# EAGLE board Mk4 Final Panel 8up 2x4 (EAGLE 9.0.1), part 13 of 23
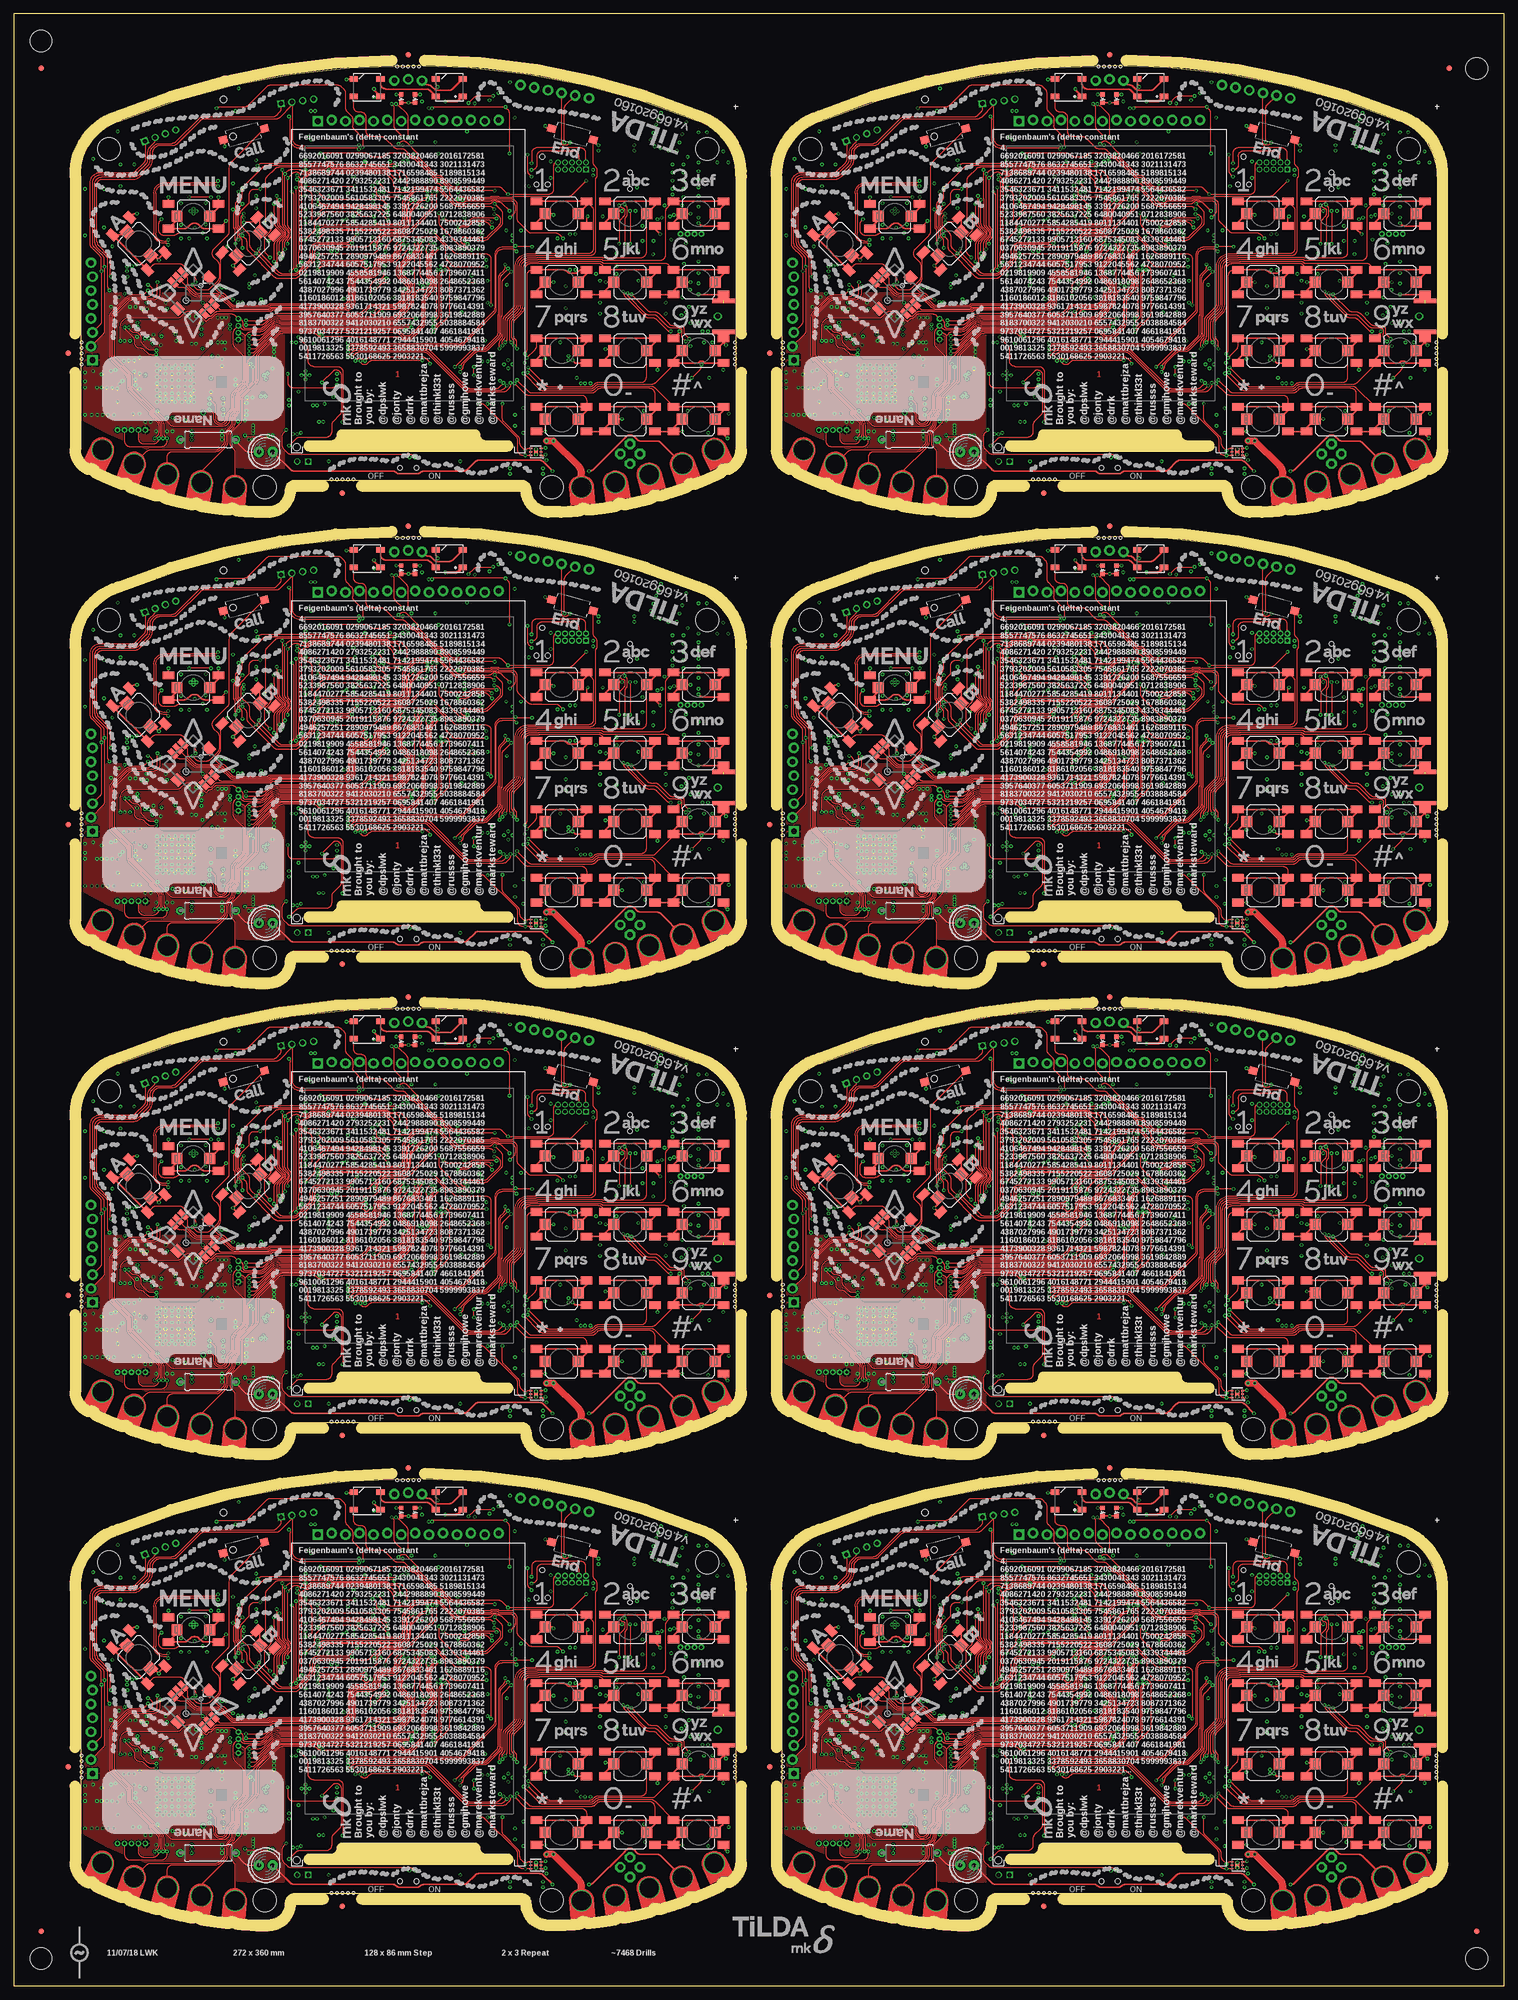
[diagram p0: board, top side]
## Tracks (layer width: path | path; a pad name or v marks a point on that pad's centre or on a via) (continued)
GND7  (via drill 0.3)  (1 unrouted) (continued)
  pour Top (rank 6): 140.2,309 140.2,286 arc34 177,277 177.5,277 177.5,309
GSM_ANT
  Bottom 0.4: L3.1 C72.2 123.26,49.6 arc45 122.56,49.31 121.59,48.34 arc-45 120.89,48.05 IC5.32
GSM_ANT1
  Bottom 0.4: L13.1 C173.2 251.26,49.6 arc45 250.56,49.31 249.59,48.34 arc-45 248.89,48.05 IC21.32
GSM_ANT2
  Bottom 0.4: L22.1 C281.2 123.26,135.6 arc45 122.56,135.31 121.59,134.34 arc-45 120.89,134.05 IC39.32
GSM_ANT3
  Bottom 0.4: L31.1 C389.2 251.26,135.6 arc45 250.56,135.31 249.59,134.34 arc-45 248.89,134.05 IC57.32
GSM_ANT4
  Bottom 0.4: L40.1 C497.2 123.26,221.6 arc45 122.56,221.31 121.59,220.34 arc-45 120.89,220.05 IC75.32
GSM_ANT5
  Bottom 0.4: L49.1 C605.2 251.26,221.6 arc45 250.56,221.31 249.59,220.34 arc-45 248.89,220.05 IC93.32
GSM_ANT6
  Bottom 0.4: L58.1 C713.2 123.26,307.6 arc45 122.56,307.31 121.59,306.34 arc-45 120.89,306.05 IC111.32
GSM_ANT7
  Bottom 0.4: L67.1 C821.2 251.26,307.6 arc45 250.56,307.31 249.59,306.34 arc-45 248.89,306.05 IC129.32
HDC_INT  (via drill 0.3)
  Top 0.15: v90.6,64.8 91.21,65.41 arc45 91.5,66.11 91.5,66.9 arc90 90.5,67.9 88.45,67.9 arc-45 88.31,67.96 88.2,68.07 arc45 88.06,68.12 87.54,68.12 arc45 87.4,68.07 87.29,67.96 arc-45 87.15,67.9 82.75,67.9 arc45 82.4,67.75 82.26,67.62 arc-45 81.91,67.47 81.44,67.47 arc-45 80.73,67.77 79.79,68.71 arc-45 79.5,69.41 79.5,69.53 arc45 79.21,70.23 78.31,71.13 arc45 77.96,71.28 arc-45 77.73,71.37 v77.6,71.5 | v81.5,36.6 arc-45 81.61,36.87 81.88,37.14 arc45 82.03,37.49 82.03,37.72 arc-45 82.17,38.07 84.11,40.01 arc-45 84.81,40.3 85.79,40.3 arc45 86.49,40.59 88.71,42.81 arc45 89,43.51 89,46.7 arc-45 89.03,46.77 89.1,46.83 arc45 89.12,46.9 89.12,52.81 arc-45 89.42,53.52 v90.8,54.9
  3V3@2 0.15: v90.8,54.9 90.8,57.2 89.1,58.9 89.1,64 90,64.9 90.5,64.9 v90.6,64.8
  Bottom 0.15: IC3.4 92.12,18 arc90 91.88,17.75 91.88,17.6 arc-90 91.62,17.35 90.8,17.35 arc-90 89.8,18.35 89.8,18.79 arc-45 90.09,19.49 90.34,19.74 arc-45 90.48,19.8 90.52,19.8 arc45 90.66,19.86 91.86,21.06 arc45 92.3,22.12 92.3,23.85 arc90 90.55,25.6 87.42,25.6 arc-45 86.53,25.97 81.57,30.93 arc-45 81.2,31.82 81.2,35.89 arc-45 v81.49,36.59 v81.5,36.6 | IC1.95 77.8,71.98 arc-45 v77.6,71.5
HDC_INT1  (via drill 0.3)
  Top 0.15: v218.6,64.8 219.21,65.41 arc45 219.5,66.11 219.5,66.9 arc90 218.5,67.9 216.45,67.9 arc-45 216.31,67.96 216.2,68.07 arc45 216.06,68.12 215.54,68.12 arc45 215.4,68.07 215.29,67.96 arc-45 215.15,67.9 210.75,67.9 arc45 210.4,67.75 210.26,67.62 arc-45 209.91,67.47 209.44,67.47 arc-45 208.73,67.77 207.79,68.71 arc-45 207.5,69.41 207.5,69.53 arc45 207.21,70.23 206.31,71.13 arc45 205.96,71.28 arc-45 205.73,71.37 v205.6,71.5 | v209.5,36.6 arc-45 209.61,36.87 209.88,37.14 arc45 210.03,37.49 210.03,37.72 arc-45 210.17,38.07 212.11,40.01 arc-45 212.81,40.3 213.79,40.3 arc45 214.49,40.59 216.71,42.81 arc45 217,43.51 217,46.7 arc-45 217.03,46.77 217.1,46.83 arc45 217.12,46.9 217.12,52.81 arc-45 217.42,53.52 v218.8,54.9
  3V3@2 0.15: v218.8,54.9 218.8,57.2 217.1,58.9 217.1,64 218,64.9 218.5,64.9 v218.6,64.8
  Bottom 0.15: IC35.4 220.12,18 arc90 219.88,17.75 219.88,17.6 arc-90 219.62,17.35 218.8,17.35 arc-90 217.8,18.35 217.8,18.79 arc-45 218.09,19.49 218.34,19.74 arc-45 218.48,19.8 218.52,19.8 arc45 218.66,19.86 219.86,21.06 arc45 220.3,22.12 220.3,23.85 arc90 218.55,25.6 215.42,25.6 arc-45 214.53,25.97 209.57,30.93 arc-45 209.2,31.82 209.2,35.89 arc-45 v209.49,36.59 v209.5,36.6 | IC20.95 205.8,71.98 arc-45 v205.6,71.5
HDC_INT2  (via drill 0.3)
  Top 0.15: v90.6,150.8 91.21,151.41 arc45 91.5,152.11 91.5,152.9 arc90 90.5,153.9 88.45,153.9 arc-45 88.31,153.96 88.2,154.07 arc45 88.06,154.12 87.54,154.12 arc45 87.4,154.07 87.29,153.96 arc-45 87.15,153.9 82.75,153.9 arc45 82.4,153.75 82.26,153.62 arc-45 81.91,153.47 81.44,153.47 arc-45 80.73,153.77 79.79,154.71 arc-45 79.5,155.41 79.5,155.53 arc45 79.21,156.24 78.31,157.13 arc45 77.96,157.28 arc-45 77.73,157.37 v77.6,157.5 | v81.5,122.6 arc-45 81.61,122.87 81.88,123.14 arc45 82.03,123.49 82.03,123.72 arc-45 82.17,124.07 84.11,126.01 arc-45 84.81,126.3 85.79,126.3 arc45 86.49,126.59 88.71,128.81 arc45 89,129.51 89,132.69 arc-45 89.03,132.76 89.1,132.83 arc45 89.12,132.9 89.12,138.81 arc-45 89.42,139.52 v90.8,140.9
  3V3@2 0.15: v90.8,140.9 90.8,143.2 89.1,144.9 89.1,150 90,150.9 90.5,150.9 v90.6,150.8
  Bottom 0.15: IC53.4 92.12,104 arc90 91.88,103.75 91.88,103.6 arc-90 91.62,103.35 90.8,103.35 arc-90 89.8,104.35 89.8,104.79 arc-45 90.09,105.49 90.34,105.74 arc-45 90.48,105.8 90.52,105.8 arc45 90.66,105.86 91.86,107.06 arc45 92.3,108.12 92.3,109.85 arc90 90.55,111.6 87.42,111.6 arc-45 86.53,111.97 81.57,116.93 arc-45 81.2,117.82 81.2,121.89 arc-45 v81.49,122.59 v81.5,122.6 | IC38.95 77.8,157.98 arc-45 v77.6,157.5
HDC_INT3  (via drill 0.3)
  Top 0.15: v218.6,150.8 219.21,151.41 arc45 219.5,152.11 219.5,152.9 arc90 218.5,153.9 216.45,153.9 arc-45 216.31,153.96 216.2,154.07 arc45 216.06,154.12 215.54,154.12 arc45 215.4,154.07 215.29,153.96 arc-45 215.15,153.9 210.75,153.9 arc45 210.4,153.75 210.26,153.62 arc-45 209.91,153.47 209.44,153.47 arc-45 208.73,153.77 207.79,154.71 arc-45 207.5,155.41 207.5,155.53 arc45 207.21,156.24 206.31,157.13 arc45 205.96,157.28 arc-45 205.73,157.37 v205.6,157.5 | v209.5,122.6 arc-45 209.61,122.87 209.88,123.14 arc45 210.03,123.49 210.03,123.72 arc-45 210.17,124.07 212.11,126.01 arc-45 212.81,126.3 213.79,126.3 arc45 214.49,126.59 216.71,128.81 arc45 217,129.51 217,132.69 arc-45 217.03,132.76 217.1,132.83 arc45 217.12,132.9 217.12,138.81 arc-45 217.42,139.52 v218.8,140.9
  3V3@2 0.15: v218.8,140.9 218.8,143.2 217.1,144.9 217.1,150 218,150.9 218.5,150.9 v218.6,150.8
  Bottom 0.15: IC71.4 220.12,104 arc90 219.88,103.75 219.88,103.6 arc-90 219.62,103.35 218.8,103.35 arc-90 217.8,104.35 217.8,104.79 arc-45 218.09,105.49 218.34,105.74 arc-45 218.48,105.8 218.52,105.8 arc45 218.66,105.86 219.86,107.06 arc45 220.3,108.12 220.3,109.85 arc90 218.55,111.6 215.42,111.6 arc-45 214.53,111.97 209.57,116.93 arc-45 209.2,117.82 209.2,121.89 arc-45 v209.49,122.59 v209.5,122.6 | IC56.95 205.8,157.98 arc-45 v205.6,157.5
HDC_INT4  (via drill 0.3)
  Top 0.15: v90.6,236.8 91.21,237.41 arc45 91.5,238.11 91.5,238.9 arc90 90.5,239.9 88.45,239.9 arc-45 88.31,239.96 88.2,240.07 arc45 88.06,240.12 87.54,240.12 arc45 87.4,240.07 87.29,239.96 arc-45 87.15,239.9 82.75,239.9 arc45 82.4,239.75 82.26,239.62 arc-45 81.91,239.47 81.44,239.47 arc-45 80.73,239.77 79.79,240.71 arc-45 79.5,241.41 79.5,241.53 arc45 79.21,242.24 78.31,243.13 arc45 77.96,243.28 arc-45 77.73,243.37 v77.6,243.5 | v81.5,208.6 arc-45 81.61,208.87 81.88,209.14 arc45 82.03,209.49 82.03,209.72 arc-45 82.17,210.07 84.11,212.01 arc-45 84.81,212.3 85.79,212.3 arc45 86.49,212.59 88.71,214.81 arc45 89,215.51 89,218.69 arc-45 89.03,218.76 89.1,218.83 arc45 89.12,218.9 89.12,224.81 arc-45 89.42,225.52 v90.8,226.9
  3V3@2 0.15: v90.8,226.9 90.8,229.2 89.1,230.9 89.1,236 90,236.9 90.5,236.9 v90.6,236.8
  Bottom 0.15: IC89.4 92.12,190 arc90 91.88,189.75 91.88,189.6 arc-90 91.62,189.35 90.8,189.35 arc-90 89.8,190.35 89.8,190.79 arc-45 90.09,191.49 90.34,191.74 arc-45 90.48,191.8 90.52,191.8 arc45 90.66,191.86 91.86,193.06 arc45 92.3,194.12 92.3,195.85 arc90 90.55,197.6 87.42,197.6 arc-45 86.53,197.97 81.57,202.93 arc-45 81.2,203.82 81.2,207.89 arc-45 v81.49,208.59 v81.5,208.6 | IC74.95 77.8,243.98 arc-45 v77.6,243.5
HDC_INT5  (via drill 0.3)
  Top 0.15: v218.6,236.8 219.21,237.41 arc45 219.5,238.11 219.5,238.9 arc90 218.5,239.9 216.45,239.9 arc-45 216.31,239.96 216.2,240.07 arc45 216.06,240.12 215.54,240.12 arc45 215.4,240.07 215.29,239.96 arc-45 215.15,239.9 210.75,239.9 arc45 210.4,239.75 210.26,239.62 arc-45 209.91,239.47 209.44,239.47 arc-45 208.73,239.77 207.79,240.71 arc-45 207.5,241.41 207.5,241.53 arc45 207.21,242.24 206.31,243.13 arc45 205.96,243.28 arc-45 205.73,243.37 v205.6,243.5 | v209.5,208.6 arc-45 209.61,208.87 209.88,209.14 arc45 210.03,209.49 210.03,209.72 arc-45 210.17,210.07 212.11,212.01 arc-45 212.81,212.3 213.79,212.3 arc45 214.49,212.59 216.71,214.81 arc45 217,215.51 217,218.69 arc-45 217.03,218.76 217.1,218.83 arc45 217.12,218.9 217.12,224.81 arc-45 217.42,225.52 v218.8,226.9
  3V3@2 0.15: v218.8,226.9 218.8,229.2 217.1,230.9 217.1,236 218,236.9 218.5,236.9 v218.6,236.8
  Bottom 0.15: IC107.4 220.12,190 arc90 219.88,189.75 219.88,189.6 arc-90 219.62,189.35 218.8,189.35 arc-90 217.8,190.35 217.8,190.79 arc-45 218.09,191.49 218.34,191.74 arc-45 218.48,191.8 218.52,191.8 arc45 218.66,191.86 219.86,193.06 arc45 220.3,194.12 220.3,195.85 arc90 218.55,197.6 215.42,197.6 arc-45 214.53,197.97 209.57,202.93 arc-45 209.2,203.82 209.2,207.89 arc-45 v209.49,208.59 v209.5,208.6 | IC92.95 205.8,243.98 arc-45 v205.6,243.5
HDC_INT6  (via drill 0.3)
  Top 0.15: v90.6,322.8 91.21,323.41 arc45 91.5,324.11 91.5,324.9 arc90 90.5,325.9 88.45,325.9 arc-45 88.31,325.96 88.2,326.07 arc45 88.06,326.12 87.54,326.12 arc45 87.4,326.07 87.29,325.96 arc-45 87.15,325.9 82.75,325.9 arc45 82.4,325.75 82.26,325.62 arc-45 81.91,325.48 81.44,325.48 arc-45 80.73,325.77 79.79,326.71 arc-45 79.5,327.41 79.5,327.53 arc45 79.21,328.24 78.31,329.13 arc45 77.96,329.27 arc-45 77.73,329.37 v77.6,329.5 | v81.5,294.6 arc-45 81.61,294.87 81.88,295.14 arc45 82.03,295.49 82.03,295.72 arc-45 82.17,296.07 84.11,298.01 arc-45 84.81,298.3 85.79,298.3 arc45 86.49,298.59 88.71,300.81 arc45 89,301.51 89,304.69 arc-45 89.03,304.76 89.1,304.83 arc45 89.12,304.9 89.12,310.81 arc-45 89.42,311.52 v90.8,312.9
  3V3@2 0.15: v90.8,312.9 90.8,315.2 89.1,316.9 89.1,322 90,322.9 90.5,322.9 v90.6,322.8
  Bottom 0.15: IC125.4 92.12,276 arc90 91.88,275.75 91.88,275.6 arc-90 91.62,275.35 90.8,275.35 arc-90 89.8,276.35 89.8,276.79 arc-45 90.09,277.49 90.34,277.74 arc-45 90.48,277.8 90.52,277.8 arc45 90.66,277.86 91.86,279.06 arc45 92.3,280.12 92.3,281.85 arc90 90.55,283.6 87.42,283.6 arc-45 86.53,283.97 81.57,288.93 arc-45 81.2,289.82 81.2,293.89 arc-45 v81.49,294.59 v81.5,294.6 | IC110.95 77.8,329.98 arc-45 v77.6,329.5
HDC_INT7  (via drill 0.3)
  Top 0.15: v218.6,322.8 219.21,323.41 arc45 219.5,324.11 219.5,324.9 arc90 218.5,325.9 216.45,325.9 arc-45 216.31,325.96 216.2,326.07 arc45 216.06,326.12 215.54,326.12 arc45 215.4,326.07 215.29,325.96 arc-45 215.15,325.9 210.75,325.9 arc45 210.4,325.75 210.26,325.62 arc-45 209.91,325.48 209.44,325.48 arc-45 208.73,325.77 207.79,326.71 arc-45 207.5,327.41 207.5,327.53 arc45 207.21,328.24 206.31,329.13 arc45 205.96,329.27 arc-45 205.73,329.37 v205.6,329.5 | v209.5,294.6 arc-45 209.61,294.87 209.88,295.14 arc45 210.03,295.49 210.03,295.72 arc-45 210.17,296.07 212.11,298.01 arc-45 212.81,298.3 213.79,298.3 arc45 214.49,298.59 216.71,300.81 arc45 217,301.51 217,304.69 arc-45 217.03,304.76 217.1,304.83 arc45 217.12,304.9 217.12,310.81 arc-45 217.42,311.52 v218.8,312.9
  3V3@2 0.15: v218.8,312.9 218.8,315.2 217.1,316.9 217.1,322 218,322.9 218.5,322.9 v218.6,322.8
  Bottom 0.15: IC143.4 220.12,276 arc90 219.88,275.75 219.88,275.6 arc-90 219.62,275.35 218.8,275.35 arc-90 217.8,276.35 217.8,276.79 arc-45 218.09,277.49 218.34,277.74 arc-45 218.48,277.8 218.52,277.8 arc45 218.66,277.86 219.86,279.06 arc45 220.3,280.12 220.3,281.85 arc90 218.55,283.6 215.42,283.6 arc-45 214.53,283.97 209.57,288.93 arc-45 209.2,289.82 209.2,293.89 arc-45 v209.49,294.59 v209.5,294.6 | IC128.95 205.8,329.98 arc-45 v205.6,329.5
HEADSET_DET  (via drill 0.3)
  Top 0.15: v37,84.75 arc-45 37.6,85 42.09,85 arc45 42.79,85.29 46.21,88.71 arc-45 46.91,89 59.09,89 arc-45 59.79,88.71 60.21,88.29 arc-45 60.5,87.59 60.5,84.91 arc45 60.79,84.21 61.55,83.45 arc-45 61.84,82.75 61.84,81.57 arc45 62.13,80.87 63.6,79.4 arc-45 63.69,79.19 v63.69,77.62
  3V3@2 0.15: v63.69,77.62 63.69,75.59 63.3,75.2 63.3,74.3 63.8,73.8 68.2,73.8 68.9,73.1 68.9,71.8 69.9,70.8 80.52,70.8 arc45 v81,71
  Bottom 0.15: IC1.98 80.52,70.8 arc45 v81,71
  Bottom 0.4: J9.7 36.42,84.17 v37,84.75
HEADSET_DET1  (via drill 0.3)
  Top 0.15: v165,84.75 arc-45 165.6,85 170.09,85 arc45 170.79,85.29 174.21,88.71 arc-45 174.91,89 187.09,89 arc-45 187.79,88.71 188.21,88.29 arc-45 188.5,87.59 188.5,84.91 arc45 188.79,84.21 189.55,83.45 arc-45 189.84,82.75 189.84,81.57 arc45 190.13,80.87 191.6,79.4 arc-45 191.69,79.19 v191.69,77.62
  3V3@2 0.15: v191.69,77.62 191.69,75.59 191.3,75.2 191.3,74.3 191.8,73.8 196.2,73.8 196.9,73.1 196.9,71.8 197.9,70.8 208.52,70.8 arc45 v209,71
  Bottom 0.15: IC20.98 208.52,70.8 arc45 v209,71
  Bottom 0.4: J17.7 164.43,84.17 v165,84.75
HEADSET_DET2  (via drill 0.3)
  Top 0.15: v37,170.75 arc-45 37.6,171 42.09,171 arc45 42.79,171.29 46.21,174.71 arc-45 46.91,175 59.09,175 arc-45 59.79,174.71 60.21,174.29 arc-45 60.5,173.59 60.5,170.91 arc45 60.79,170.21 61.55,169.45 arc-45 61.84,168.75 61.84,167.57 arc45 62.13,166.87 63.6,165.4 arc-45 63.69,165.19 v63.69,163.62
  3V3@2 0.15: v63.69,163.62 63.69,161.59 63.3,161.2 63.3,160.3 63.8,159.8 68.2,159.8 68.9,159.1 68.9,157.8 69.9,156.8 80.52,156.8 arc45 v81,157
  Bottom 0.15: IC38.98 80.52,156.8 arc45 v81,157
  Bottom 0.4: J27.7 36.42,170.18 v37,170.75
HEADSET_DET3  (via drill 0.3)
  Top 0.15: v165,170.75 arc-45 165.6,171 170.09,171 arc45 170.79,171.29 174.21,174.71 arc-45 174.91,175 187.09,175 arc-45 187.79,174.71 188.21,174.29 arc-45 188.5,173.59 188.5,170.91 arc45 188.79,170.21 189.55,169.45 arc-45 189.84,168.75 189.84,167.57 arc45 190.13,166.87 191.6,165.4 arc-45 191.69,165.19 v191.69,163.62
  3V3@2 0.15: v191.69,163.62 191.69,161.59 191.3,161.2 191.3,160.3 191.8,159.8 196.2,159.8 196.9,159.1 196.9,157.8 197.9,156.8 208.52,156.8 arc45 v209,157
  Bottom 0.15: IC56.98 208.52,156.8 arc45 v209,157
  Bottom 0.4: J37.7 164.43,170.18 v165,170.75
HEADSET_DET4  (via drill 0.3)
  Top 0.15: v37,256.75 arc-45 37.6,257 42.09,257 arc45 42.79,257.29 46.21,260.71 arc-45 46.91,261 59.09,261 arc-45 59.79,260.71 60.21,260.29 arc-45 60.5,259.59 60.5,256.91 arc45 60.79,256.21 61.55,255.45 arc-45 61.84,254.75 61.84,253.57 arc45 62.13,252.87 63.6,251.4 arc-45 63.69,251.19 v63.69,249.62
  3V3@2 0.15: v63.69,249.62 63.69,247.59 63.3,247.2 63.3,246.3 63.8,245.8 68.2,245.8 68.9,245.1 68.9,243.8 69.9,242.8 80.52,242.8 arc45 v81,243
  Bottom 0.15: IC74.98 80.52,242.8 arc45 v81,243
  Bottom 0.4: J47.7 36.42,256.18 v37,256.75
HEADSET_DET5  (via drill 0.3)
  Top 0.15: v165,256.75 arc-45 165.6,257 170.09,257 arc45 170.79,257.29 174.21,260.71 arc-45 174.91,261 187.09,261 arc-45 187.79,260.71 188.21,260.29 arc-45 188.5,259.59 188.5,256.91 arc45 188.79,256.21 189.55,255.45 arc-45 189.84,254.75 189.84,253.57 arc45 190.13,252.87 191.6,251.4 arc-45 191.69,251.19 v191.69,249.62
  3V3@2 0.15: v191.69,249.62 191.69,247.59 191.3,247.2 191.3,246.3 191.8,245.8 196.2,245.8 196.9,245.1 196.9,243.8 197.9,242.8 208.52,242.8 arc45 v209,243
  Bottom 0.15: IC92.98 208.52,242.8 arc45 v209,243
  Bottom 0.4: J57.7 164.43,256.18 v165,256.75
HEADSET_DET6  (via drill 0.3)
  Top 0.15: v37,342.75 arc-45 37.6,343 42.09,343 arc45 42.79,343.29 46.21,346.71 arc-45 46.91,347 59.09,347 arc-45 59.79,346.71 60.21,346.29 arc-45 60.5,345.59 60.5,342.91 arc45 60.79,342.21 61.55,341.45 arc-45 61.84,340.75 61.84,339.57 arc45 62.13,338.87 63.6,337.4 arc-45 63.69,337.19 v63.69,335.62
  3V3@2 0.15: v63.69,335.62 63.69,333.59 63.3,333.2 63.3,332.3 63.8,331.8 68.2,331.8 68.9,331.1 68.9,329.8 69.9,328.8 80.52,328.8 arc45 v81,329
  Bottom 0.15: IC110.98 80.52,328.8 arc45 v81,329
  Bottom 0.4: J67.7 36.42,342.18 v37,342.75
HEADSET_DET7  (via drill 0.3)
  Top 0.15: v165,342.75 arc-45 165.6,343 170.09,343 arc45 170.79,343.29 174.21,346.71 arc-45 174.91,347 187.09,347 arc-45 187.79,346.71 188.21,346.29 arc-45 188.5,345.59 188.5,342.91 arc45 188.79,342.21 189.55,341.45 arc-45 189.84,340.75 189.84,339.57 arc45 190.13,338.87 191.6,337.4 arc-45 191.69,337.19 v191.69,335.62
  3V3@2 0.15: v191.69,335.62 191.69,333.59 191.3,333.2 191.3,332.3 191.8,331.8 196.2,331.8 196.9,331.1 196.9,329.8 197.9,328.8 208.52,328.8 arc45 v209,329
  Bottom 0.15: IC128.98 208.52,328.8 arc45 v209,329
  Bottom 0.4: J77.7 164.43,342.18 v165,342.75
I2C4_SCL  (via drill 0.3)
  Top 0.15: v76,38.1 76,38.3 75.29,39.01 arc45 74.59,39.3 65.21,39.3 arc45 64.51,39.01 v64.1,38.6 63.78,38.92 arc90 62.72,38.92 v62.4,38.6 | v89.2,30.8 89.2,28.14 arc45 89.49,27.43 92.01,24.92 arc-45 92.3,24.21 92.3,23.71 arc45 92.59,23.01 v93.35,22.25 93.46,22.36 arc-45 94.16,22.65 IC17.4
  3V3@2 0.15: v59,58.7 58.3,59.4 58.3,63.8 58.55,64.05 58.55,66.55 59,67 61,67 63.4,69.4 65.95,69.4 66.5,68.85 67.05,68.85 67.5,69.3 v67.5,69.4
  Bottom 0.15: IC8.5 54,38.3 arc-90 55,39.3 57.38,39.3 arc-45 58.27,38.93 58.51,38.69 arc45 59.21,38.4 62.12,38.4 arc45 62.26,38.46 v62.4,38.6 | IC4.19 86.75,36.75 | IC16.1 88.25,33.5 88.28,33.52 | 88.28,33.52 arc90 88.28,34.23 87.04,35.46 arc-45 86.75,36.16 86.75,36.75 | 86.75,36.75 84.16,36.75 arc-45 83.46,37.04 82.69,37.81 arc45 81.99,38.1 v76,38.1 | v64.1,38.6 63.7,39 63.7,42.38 arc45 63.33,43.27 58.99,47.61 arc-45 58.7,48.31 58.7,57.99 arc-45 v58.99,58.69 v59,58.7 59.05,58.75 R22.1 | v89.2,30.8 89.2,32.39 arc45 89.05,32.75 88.28,33.52 | IC1.61 66.69,70 arc-45 67.05,69.85 v67.5,69.4 | IC3.6 92.72,20.88 arc45 92.7,20.95 92.63,21.02 arc-45 92.6,21.09 92.6,21.29 arc-45 92.75,21.65 v93.35,22.25
I2C4_SCL1  (via drill 0.3)
  Top 0.15: v204,38.1 204,38.3 203.29,39.01 arc45 202.59,39.3 193.21,39.3 arc45 192.51,39.01 v192.1,38.6 191.78,38.92 arc90 190.72,38.92 v190.4,38.6 | v217.2,30.8 217.2,28.14 arc45 217.49,27.43 220.01,24.92 arc-45 220.3,24.21 220.3,23.71 arc45 220.59,23.01 v221.35,22.25 221.46,22.36 arc-45 222.16,22.65 IC34.4
  3V3@2 0.15: v187,58.7 186.3,59.4 186.3,63.8 186.55,64.05 186.55,66.55 187,67 189,67 191.4,69.4 193.95,69.4 194.5,68.85 195.05,68.85 195.5,69.3 v195.5,69.4
  Bottom 0.15: IC24.5 182,38.3 arc-90 183,39.3 185.38,39.3 arc-45 186.27,38.93 186.51,38.69 arc45 187.21,38.4 190.12,38.4 arc45 190.26,38.46 v190.4,38.6 | IC31.19 214.75,36.75 | IC32.1 216.25,33.5 216.28,33.52 | 216.28,33.52 arc90 216.28,34.23 215.04,35.46 arc-45 214.75,36.16 214.75,36.75 | 214.75,36.75 212.16,36.75 arc-45 211.46,37.04 210.69,37.81 arc45 209.99,38.1 v204,38.1 | v192.1,38.6 191.7,39 191.7,42.38 arc45 191.33,43.27 186.99,47.61 arc-45 186.7,48.31 186.7,57.99 arc-45 v186.99,58.69 v187,58.7 187.05,58.75 R104.1 | v217.2,30.8 217.2,32.39 arc45 217.05,32.75 216.28,33.52 | IC20.61 194.69,70 arc-45 195.05,69.85 v195.5,69.4 | IC35.6 220.72,20.88 arc45 220.7,20.95 220.63,21.02 arc-45 220.6,21.09 220.6,21.29 arc-45 220.75,21.65 v221.35,22.25
I2C4_SCL2  (via drill 0.3)
  Top 0.15: v76,124.1 76,124.3 75.29,125.01 arc45 74.59,125.3 65.21,125.3 arc45 64.51,125.01 v64.1,124.6 63.78,124.92 arc90 62.72,124.92 v62.4,124.6 | v89.2,116.8 89.2,114.14 arc45 89.49,113.43 92.01,110.92 arc-45 92.3,110.21 92.3,109.71 arc45 92.59,109.01 v93.35,108.25 93.46,108.36 arc-45 94.16,108.65 IC52.4
  3V3@2 0.15: v59,144.7 58.3,145.4 58.3,149.8 58.55,150.05 58.55,152.55 59,153 61,153 63.4,155.4 65.95,155.4 66.5,154.85 67.05,154.85 67.5,155.3 v67.5,155.4
  Bottom 0.15: IC42.5 54,124.3 arc-90 55,125.3 57.38,125.3 arc-45 58.27,124.93 58.51,124.69 arc45 59.21,124.4 62.12,124.4 arc45 62.26,124.46 v62.4,124.6 | IC49.19 86.75,122.75 | IC50.1 88.25,119.5 88.28,119.53 | 88.28,119.53 arc90 88.28,120.22 87.04,121.46 arc-45 86.75,122.16 86.75,122.75 | 86.75,122.75 84.16,122.75 arc-45 83.46,123.04 82.69,123.81 arc45 81.99,124.1 v76,124.1 | v64.1,124.6 63.7,125 63.7,128.38 arc45 63.33,129.27 58.99,133.61 arc-45 58.7,134.31 58.7,143.99 arc-45 v58.99,144.69 v59,144.7 59.05,144.75 R182.1 | v89.2,116.8 89.2,118.39 arc45 89.05,118.75 88.28,119.53 | IC38.61 66.69,156 arc-45 67.05,155.85 v67.5,155.4 | IC53.6 92.72,106.88 arc45 92.7,106.95 92.63,107.02 arc-45 92.6,107.09 92.6,107.29 arc-45 92.75,107.65 v93.35,108.25
I2C4_SCL3  (via drill 0.3)
  Top 0.15: v204,124.1 204,124.3 203.29,125.01 arc45 202.59,125.3 193.21,125.3 arc45 192.51,125.01 v192.1,124.6 191.78,124.92 arc90 190.72,124.92 v190.4,124.6 | v217.2,116.8 217.2,114.14 arc45 217.49,113.43 220.01,110.92 arc-45 220.3,110.21 220.3,109.71 arc45 220.59,109.01 v221.35,108.25 221.46,108.36 arc-45 222.16,108.65 IC70.4
  3V3@2 0.15: v187,144.7 186.3,145.4 186.3,149.8 186.55,150.05 186.55,152.55 187,153 189,153 191.4,155.4 193.95,155.4 194.5,154.85 195.05,154.85 195.5,155.3 v195.5,155.4
  Bottom 0.15: IC60.5 182,124.3 arc-90 183,125.3 185.38,125.3 arc-45 186.27,124.93 186.51,124.69 arc45 187.21,124.4 190.12,124.4 arc45 190.26,124.46 v190.4,124.6 | IC67.19 214.75,122.75 | IC68.1 216.25,119.5 216.28,119.53 | 216.28,119.53 arc90 216.28,120.22 215.04,121.46 arc-45 214.75,122.16 214.75,122.75 | 214.75,122.75 212.16,122.75 arc-45 211.46,123.04 210.69,123.81 arc45 209.99,124.1 v204,124.1 | v192.1,124.6 191.7,125 191.7,128.38 arc45 191.33,129.27 186.99,133.61 arc-45 186.7,134.31 186.7,143.99 arc-45 v186.99,144.69 v187,144.7 187.05,144.75 R260.1 | v217.2,116.8 217.2,118.39 arc45 217.05,118.75 216.28,119.53 | IC56.61 194.69,156 arc-45 195.05,155.85 v195.5,155.4 | IC71.6 220.72,106.88 arc45 220.7,106.95 220.63,107.02 arc-45 220.6,107.09 220.6,107.29 arc-45 220.75,107.65 v221.35,108.25
I2C4_SCL4  (via drill 0.3)
  Top 0.15: v76,210.1 76,210.3 75.29,211.01 arc45 74.59,211.3 65.21,211.3 arc45 64.51,211.01 v64.1,210.6 63.78,210.92 arc90 62.72,210.92 v62.4,210.6 | v89.2,202.8 89.2,200.14 arc45 89.49,199.43 92.01,196.92 arc-45 92.3,196.21 92.3,195.71 arc45 92.59,195.01 v93.35,194.25 93.46,194.36 arc-45 94.16,194.65 IC88.4
  3V3@2 0.15: v59,230.7 58.3,231.4 58.3,235.8 58.55,236.05 58.55,238.55 59,239 61,239 63.4,241.4 65.95,241.4 66.5,240.85 67.05,240.85 67.5,241.3 v67.5,241.4
  Bottom 0.15: IC78.5 54,210.3 arc-90 55,211.3 57.38,211.3 arc-45 58.27,210.93 58.51,210.69 arc45 59.21,210.4 62.12,210.4 arc45 62.26,210.46 v62.4,210.6 | IC85.19 86.75,208.75 | IC86.1 88.25,205.5 88.28,205.53 | 88.28,205.53 arc90 88.28,206.22 87.04,207.46 arc-45 86.75,208.16 86.75,208.75 | 86.75,208.75 84.16,208.75 arc-45 83.46,209.04 82.69,209.81 arc45 81.99,210.1 v76,210.1 | v64.1,210.6 63.7,211 63.7,214.38 arc45 63.33,215.27 58.99,219.61 arc-45 58.7,220.31 58.7,229.99 arc-45 v58.99,230.69 v59,230.7 59.05,230.75 R338.1 | v89.2,202.8 89.2,204.39 arc45 89.05,204.75 88.28,205.53 | IC74.61 66.69,242 arc-45 67.05,241.85 v67.5,241.4 | IC89.6 92.72,192.88 arc45 92.7,192.95 92.63,193.02 arc-45 92.6,193.09 92.6,193.29 arc-45 92.75,193.65 v93.35,194.25
I2C4_SCL5  (via drill 0.3)
  Top 0.15: v204,210.1 204,210.3 203.29,211.01 arc45 202.59,211.3 193.21,211.3 arc45 192.51,211.01 v192.1,210.6 191.78,210.92 arc90 190.72,210.92 v190.4,210.6 | v217.2,202.8 217.2,200.14 arc45 217.49,199.43 220.01,196.92 arc-45 220.3,196.21 220.3,195.71 arc45 220.59,195.01 v221.35,194.25 221.46,194.36 arc-45 222.16,194.65 IC106.4
  3V3@2 0.15: v187,230.7 186.3,231.4 186.3,235.8 186.55,236.05 186.55,238.55 187,239 189,239 191.4,241.4 193.95,241.4 194.5,240.85 195.05,240.85 195.5,241.3 v195.5,241.4
  Bottom 0.15: IC96.5 182,210.3 arc-90 183,211.3 185.38,211.3 arc-45 186.27,210.93 186.51,210.69 arc45 187.21,210.4 190.12,210.4 arc45 190.26,210.46 v190.4,210.6 | IC103.19 214.75,208.75 | IC104.1 216.25,205.5 216.28,205.53 | 216.28,205.53 arc90 216.28,206.22 215.04,207.46 arc-45 214.75,208.16 214.75,208.75 | 214.75,208.75 212.16,208.75 arc-45 211.46,209.04 210.69,209.81 arc45 209.99,210.1 v204,210.1 | v192.1,210.6 191.7,211 191.7,214.38 arc45 191.33,215.27 186.99,219.61 arc-45 186.7,220.31 186.7,229.99 arc-45 v186.99,230.69 v187,230.7 187.05,230.75 R416.1 | v217.2,202.8 217.2,204.39 arc45 217.05,204.75 216.28,205.53 | IC92.61 194.69,242 arc-45 195.05,241.85 v195.5,241.4 | IC107.6 220.72,192.88 arc45 220.7,192.95 220.63,193.02 arc-45 220.6,193.09 220.6,193.29 arc-45 220.75,193.65 v221.35,194.25
I2C4_SCL6  (via drill 0.3)
  Top 0.15: v76,296.1 76,296.3 75.29,297.01 arc45 74.59,297.3 65.21,297.3 arc45 64.51,297.01 v64.1,296.6 63.78,296.92 arc90 62.72,296.92 v62.4,296.6 | v89.2,288.8 89.2,286.14 arc45 89.49,285.43 92.01,282.92 arc-45 92.3,282.21 92.3,281.71 arc45 92.59,281.01 v93.35,280.25 93.46,280.36 arc-45 94.16,280.65 IC124.4
  3V3@2 0.15: v59,316.7 58.3,317.4 58.3,321.8 58.55,322.05 58.55,324.55 59,325 61,325 63.4,327.4 65.95,327.4 66.5,326.85 67.05,326.85 67.5,327.3 v67.5,327.4
  Bottom 0.15: IC114.5 54,296.3 arc-90 55,297.3 57.38,297.3 arc-45 58.27,296.93 58.51,296.69 arc45 59.21,296.4 62.12,296.4 arc45 62.26,296.46 v62.4,296.6 | IC121.19 86.75,294.75 | IC122.1 88.25,291.5 88.28,291.52 | 88.28,291.52 arc90 88.28,292.23 87.04,293.46 arc-45 86.75,294.16 86.75,294.75 | 86.75,294.75 84.16,294.75 arc-45 83.46,295.04 82.69,295.81 arc45 81.99,296.1 v76,296.1 | v64.1,296.6 63.7,297 63.7,300.38 arc45 63.33,301.27 58.99,305.61 arc-45 58.7,306.31 58.7,315.99 arc-45 v58.99,316.69 v59,316.7 59.05,316.75 R494.1 | v89.2,288.8 89.2,290.39 arc45 89.05,290.75 88.28,291.52 | IC110.61 66.69,328 arc-45 67.05,327.85 v67.5,327.4 | IC125.6 92.72,278.88 arc45 92.7,278.95 92.63,279.02 arc-45 92.6,279.09 92.6,279.29 arc-45 92.75,279.65 v93.35,280.25